# Altium PCB F1_MODULE.PcbDoc (part 2 of 2)
Units mm, origin at the board's own origin, x right, y up, seen from the top; angles counter-clockwise.
Board outline 39.37 x 52.07 mm, 4 copper layers (L1 (Sig), L2 (GND), L3 (PWR), L4 (Sig)), stack 1.57 mm thick; 89 components, 73 nets, 279 pads, 144 vias.
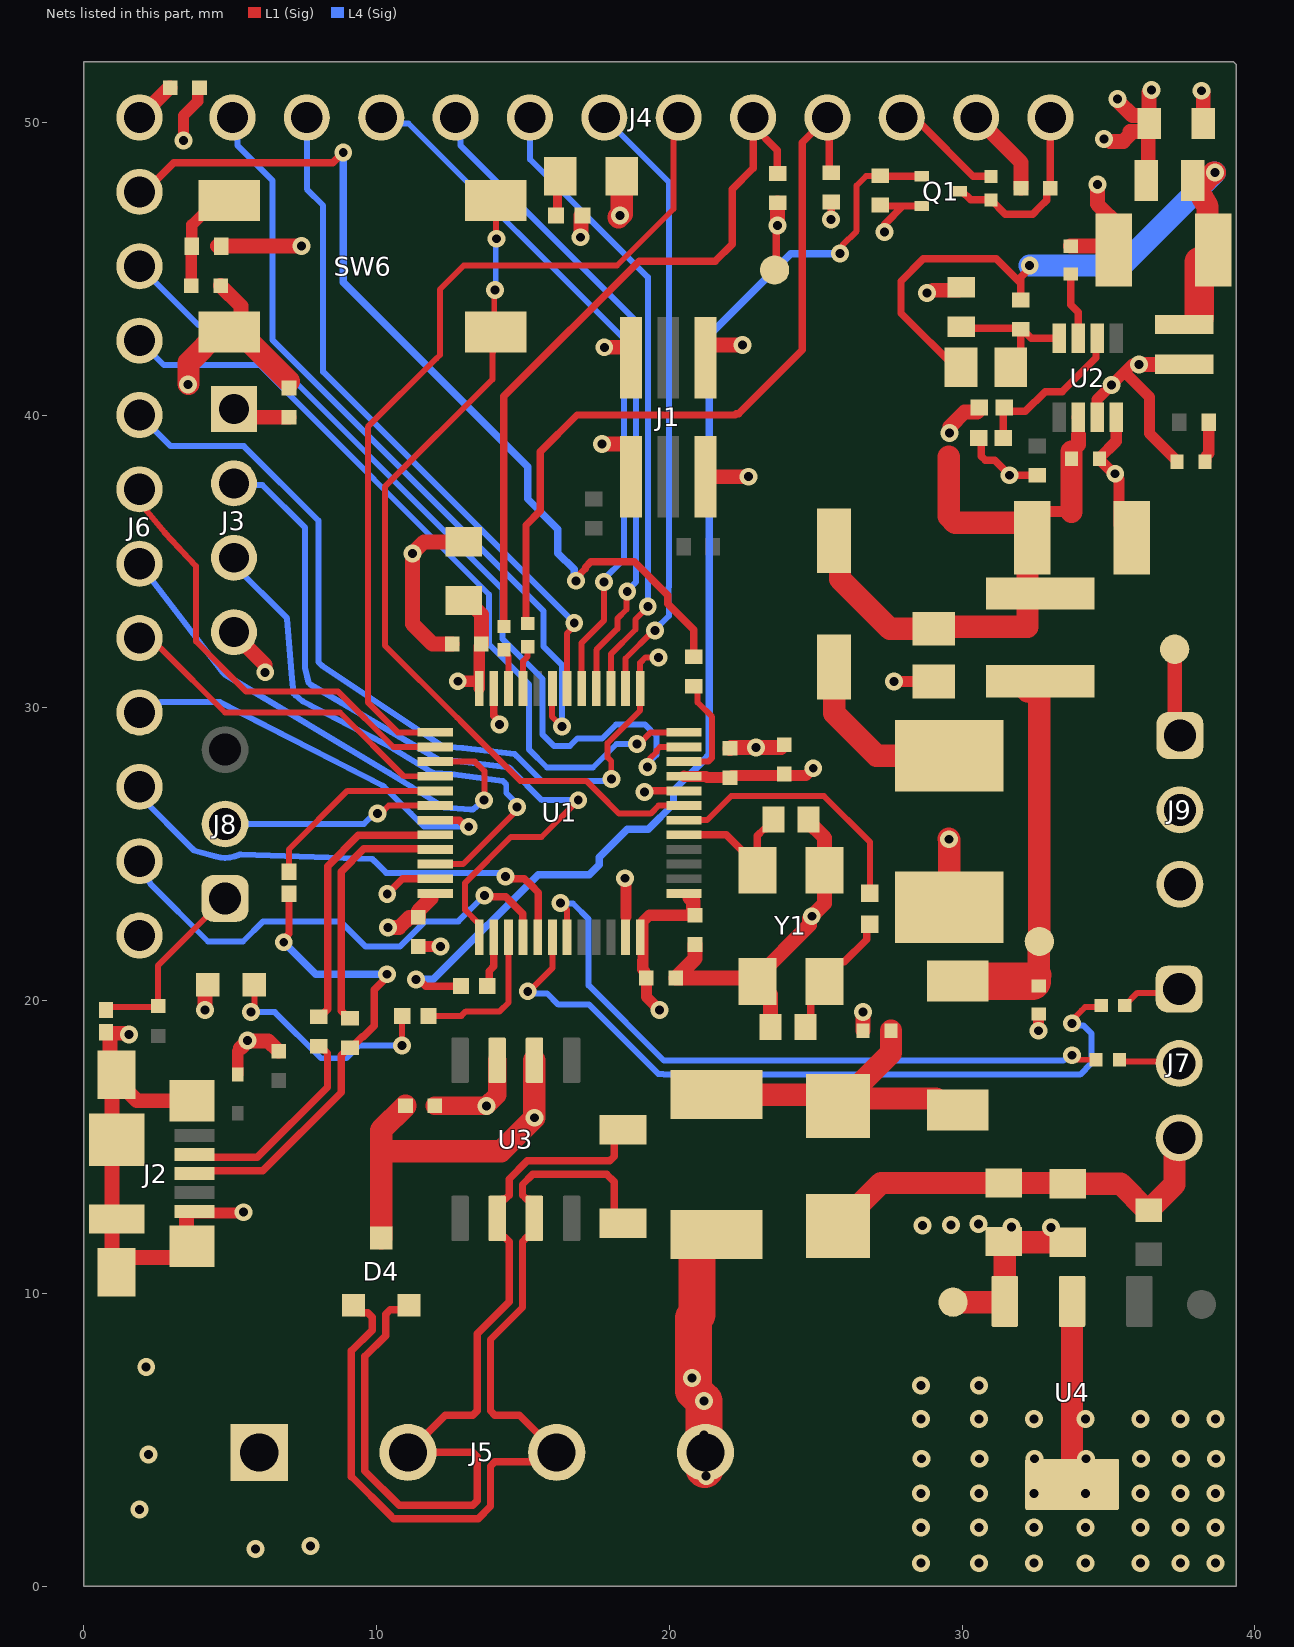
[diagram p4: the nets of this part, all layers, seen from the top]

## Via types
v1: diameter 0.61, hole 0.305, L1 (Sig) to L4 (Sig), 144 vias

## Nets (pads, with @x,y where several pads share a name; then routed paths per layer and width w, separated by ;. In a path a pad name is that pad's centre, name@x,y a point inside that pad or via, vN(x,y) a via of type N, cw(c..) or ccw(c..) an arc to the next point about the centre after c; other vN are vias at no path point) (continued)
CAN_H: D4.1 J5.3 R13.1 U3.7 | length 32.2
  L1 (Sig) w0.254: D4.1@9.21,9.599 9.473,9.336 9.706,9.336 9.855,9.187 9.855,8.749 9.144,8.038 9.144,3.748 10.446,2.445 10.58,2.311 13.477,2.311 13.894,2.728 13.894,4.104 14.043,4.253 J5.3@16.205,4.253 ; J5.3@16.154,4.572 14.884,5.842 14.043,5.842 13.894,5.991 13.894,8.429 14.986,9.521 14.986,11.769 15.135,11.917 15.219,11.917 15.392,12.09 U3.7@15.392,12.565 15.392,13.04 15.219,13.213 15.135,13.213 14.986,13.362 14.986,13.721 15.336,14.072 17.856,14.072 18.114,13.813 18.114,12.696 R13.1@18.415,12.395
CAN_L: D4.2 J5.2 R13.2 U3.6 | length 31.6
  L1 (Sig) w0.254: D4.2@11.11,9.599 10.954,9.444 10.461,9.444 10.312,9.295 10.312,8.56 9.601,7.849 9.601,3.937 10.77,2.769 13.288,2.769 13.437,2.917 13.437,4.423 13.288,4.572 11.444,4.572 J5.2@11.074,4.572 12.344,5.842 13.288,5.842 13.437,5.991 13.437,8.618 14.529,9.711 14.529,11.769 14.38,11.917 14.295,11.917 14.122,12.09 U3.6@14.122,12.565 14.122,13.04 14.295,13.213 14.38,13.213 14.529,13.362 14.529,13.911 15.147,14.529 17.966,14.529 18.115,14.678 18.115,15.295 R13.2@18.415,15.595
CLUTCH_CMD: R10.2 U1.10 | length 3.7
  L1 (Sig) w0.203: U1.10@20.506,28.166 21.333,28.166 21.463,28.296 21.463,29.693 20.968,30.187 20.968,30.602 R10.2@20.828,30.742
CLUTCH_CMD_R: J6.2 R10.1 | length 31.9
  L1 (Sig) w0.254: J6.2@1.905,47.625 2.077,47.625 3.068,48.616 8.509,48.616 v1(8.865,48.971) ; v1(16.815,34.341) 16.815,34.437 17.138,34.76 17.138,34.808 17.318,34.987 18.81,34.987 19.946,33.851 19.946,33.554 20.828,32.672 R10.1@20.828,31.742
  L4 (Sig) w0.254: v1(8.865,48.971) 8.865,44.535 15.164,38.236 15.164,37.135 16.19,36.109 16.19,35.288 16.747,34.731 16.747,34.409 v1(16.815,34.341)
DISP_PWR_EN: Q1.1 R15.1 R17.2 | length 39.9
  L1 (Sig) w0.203: v1(25.832,45.517) 25.91,45.595 25.91,45.798 26.397,46.285 26.397,47.843 26.718,48.163 27.191,48.163 R15.1@27.203,48.176
  L1 (Sig) w0.254: v1(11.354,20.726) 11.45,20.726 11.679,20.498 R17.2@12.818,20.498 ; R15.1@27.313,48.158 Q1.1@28.621,48.158
  L4 (Sig) w0.254: v1(11.354,20.726) 11.938,20.726 12.111,20.899 15.519,24.308 17.26,24.308 17.602,24.65 17.602,24.901 18.563,25.862 19.287,25.862 20.142,26.717 20.142,27.178 21.289,28.325 21.361,28.397 21.361,42.727 24.151,45.517 v1(25.832,45.517)
DRS: J6.8 U1.28 | length 12.1
  L1 (Sig) w0.203: J6.8@1.905,32.385 2.276,32.385 2.655,32.006 2.665,32.006 4.826,29.845 8.754,29.845 10.933,27.666 U1.28@12.006,27.666
DSP_PWR_EN: R17.1 U1.38 | length 1.7
  L1 (Sig) w0.254: R17.1@13.843,20.498 13.843,21.01 14.006,21.173 U1.38@14.006,22.166
GEAR_DN: J6.10 U1.41 | length 16.9
  L1 (Sig) w0.254: v1(14.402,24.236) 14.47,24.168 15.05,24.168 15.281,23.936 15.523,23.695 U1.41@15.523,22.063
  L4 (Sig) w0.203: J6.10@1.905,27.305 1.905,27 3.729,25.177 3.78,25.125 4.519,24.921 ccw(c4.826,26.035) 5.29,24.976 cw(c5.37,24.79) 5.377,24.993 9.859,24.837 9.919,24.777 10.329,24.367 14.276,24.367 14.338,24.305 v1(14.402,24.236)
GEAR_UP: J6.11 U1.40 | length 17
  L1 (Sig) w0.254: v1(13.686,23.597) 13.732,23.55 14.411,23.55 14.989,22.971 U1.40@14.989,22.038
  L4 (Sig) w0.203: J6.11@1.905,24.765 1.905,24.394 2.271,24.028 2.271,23.993 4.242,22.022 5.441,22.022 6.127,22.708 8.763,22.708 9.627,21.844 10.795,21.844 11.659,22.708 12.797,22.708 v1(13.686,23.597)
GND: C1.2 C2.2 C3.2 C4.2 C5.2 C6.2 C7.2 C8.2 C9.2 C10.2 C11.2 C12.2 C13.2 C14.2 C15.2 C16.2 C17.2 C18.2 C19.2 C20.2 C22.2 C23.2 C24.2 C26.2 C32.1 C33.2 D3.2 D4.3 D6.1 J1.5 J1.6 J2.5 J2.6 J2.7 J2.8 J2.9 J2.10 J2.11 J3.4 J4.2 J5.1 J6.12 J7.3 R3.2 R16.2 R26.1 R27.1 R28.1 R38.2 SW6.2 U1.8 U1.23 U1.35 U1.47 U2.4 U3.2 U4.2 U4.4 Y1.2 Y1.4 | length 117.9
  L1 (Sig) w0.254: v1(10.366,23.645) 10.886,24.166 U1.35@12.006,24.166 ; U1.23@14.006,30.666 14.006,29.727 14.199,29.535 v1(14.199,29.439) ; U1.47@18.506,22.166 18.506,22.849 18.517,22.86 ; v1(19.152,27.127) 19.19,27.166 U1.8@20.506,27.166 ; R26.1@30.584,39.116 30.649,39.051 30.649,38.602 30.798,38.453 31.118,38.453 v1(31.623,37.948) R27.1@32.563,37.948
  L1 (Sig) w0.381: v1(3.404,49.378) 3.404,50.231 3.895,50.722 3.895,51.122 C1.2@3.954,51.181 ; J2.5@3.631,12.746 5.431,12.746 v1(5.461,12.776) ; D3.2@5.258,17.475 5.258,18.286 5.357,18.385 ; C19.2@11.43,21.852 v1(12.184,21.852) v1@12.217,21.819 ; v1(18.491,24.181) 18.517,24.155 18.517,22.86 ; J1.6@21.234,41.964 21.234,42.213 J1.6@21.414,42.393 ; v1@22.705,37.894 v1(22.708,37.897) ; v1@27.635,30.861 v1(27.675,30.901) C32.1@29.032,30.901 ; v1(32.614,18.974) 32.616,18.976 32.616,19.546 C3.2@32.614,19.548 ; C23.2@34.689,38.506 34.689,38.481 35.172,37.998 v1(35.23,37.998) 35.23,37.937 35.357,37.809 35.357,36.249 C22.2@35.791,35.814 ; C23.2@34.689,38.531 35.265,39.108 U2.4@35.265,39.922
  L1 (Sig) w0.508: J2.11@0.971,10.671 J2.11@0.971,10.831 ; v1(1.549,18.847) 1.509,18.887 0.802,18.887 0.897,18.793 0.897,18.127 0.971,18.053 J2.8@0.971,17.246 ; 3.512,12.521 3.512,11.592 3.546,11.559 3.214,11.227 1.367,11.227 J2.11@0.971,10.831 ; v1(3.556,41.051) v1@3.575,41.071 ; J2.6@3.698,16.585 1.817,16.585 1.519,16.882 1.519,16.901 1.174,17.246 J2.8@0.971,17.246 ; SW6.2@4.625,42.835 SW6.2@4.975,42.835 SW6.2@5.325,42.835 ; C8.2@4.674,44.425 5.377,43.721 5.377,43.237 SW6.2@5.15,43.01 ; J3.4@5.131,32.588 5.131,32.534 6.198,31.467 v1(6.198,31.217) ; 5.357,18.385 5.588,18.616 v1(5.588,18.644) 5.607,18.624 6.303,18.624 C10.2@6.655,18.272 ; C11.2@7,41.16 7,40.939 C11.2@7.01,40.929 ; C20.2@12.581,32.182 11.913,32.182 11.227,32.868 v1(11.227,35.279) 11.619,35.671 C14.2@12.979,35.671 ; v1(16.967,46.076) 16.987,46.095 16.987,46.809 R3.2@16.99,46.812 ; C15.2@20.879,21.92 20.879,21.438 C17.2@20.218,20.777 22.883,20.777 Y1.2@23.005,20.655 ; J1.5@21.234,37.894 v1@22.705,37.894 ; J1.6@21.414,42.393 v1(22.504,42.393) ; C18.2@22.073,28.618 22.107,28.652 v1(22.962,28.652) 23.817,28.652 C16.2@23.851,28.686 ; C6.2@23.454,19.101 23.454,20.207 Y1.2@23.005,20.655 ; C5.2@24.755,26.187 24.755,26.112 25.305,25.562 Y1.4@25.305,24.455 25.305,23.324 v1(24.867,22.885) 24.789,22.808 24.789,22.589 23.005,20.805 Y1.2@23.005,20.655 ; C2.2@26.619,18.974 v1(26.619,19.609) ; v1@28.981,44.247 29.002,44.267 29.876,44.267 R28.1@29.972,44.363 ; J4.2@30.48,50.165 32.012,48.633 C12.2@32.012,47.752 ; C26.2@33.706,45.771 34.81,45.771 35.369,46.33 35.369,46.457 34.62,47.206 v1(34.62,47.879) ; v1(38.176,51.079) 38.238,51.018 C33.2@38.238,49.962 ; J2.11@0.971,10.831 J2.8@0.971,17.246
  L1 (Sig) w0.762: v1@3.575,41.071 3.575,41.785 SW6.2@4.625,42.835 ; SW6.2@5.325,42.835 C11.2@7,41.16 ; D4.3@10.16,11.889 10.16,14.859 ; C9.2@10.989,16.408 10.16,15.58 10.16,14.859 ; U3.2@15.392,17.965 v1(15.392,16.002) 14.249,14.859 10.16,14.859 ; D6.1@25.756,12.297 27.235,13.776 C7.2@31.42,13.776 33.579,13.776 C13.2@33.604,13.751 35.412,13.751 36.323,12.84 C4.2@36.373,12.84 36.423,12.84 36.442,12.859 36.442,12.909 37.254,13.721 37.254,15.156 J7.3@37.414,15.316 ; v1@29.54,25.527 v1(29.553,25.514) 29.566,25.502 R38.2@29.566,23.191 ; U4.4@33.757,3.479 U4.2@33.757,9.729
  other v1: 28.6,0.787 30.582,0.787 32.461,0.787 34.214,0.787 36.093,0.787 37.465,0.787 38.659,0.787 5.867,1.27 7.747,1.372 28.6,2.007 30.582,2.007 32.461,2.007 34.214,2.007 36.093,2.007 37.465,2.007 38.659,2.007 1.905,2.616 28.6,3.175 30.582,3.175 32.461,3.175 34.214,3.175 36.093,3.175 37.465,3.175 38.659,3.175 28.613,4.354 30.594,4.354 32.474,4.354 34.227,4.354 36.106,4.354 37.478,4.354 38.672,4.354 2.21,4.496 28.6,5.715 30.582,5.715 32.461,5.715 34.214,5.715 36.093,5.715 37.465,5.715 38.659,5.715 28.6,6.858 30.582,6.858 2.134,7.493 28.804,44.171
IGN_SW: J6.7 U1.27 | length 17.8
  L1 (Sig) w0.203: U1.27@12.006,28.166 13.36,28.166 13.682,27.844 13.682,26.865 v1(13.665,26.848)
  L4 (Sig) w0.203: J6.7@1.905,34.925 4.747,31.213 4.816,31.144 4.837,31.131 10.443,27.77 11.176,27.31 12.31,26.597 ; 12.311,26.597 13.215,26.531 13.298,26.531 v1(13.665,26.848)
LCD_BL: J4.3 R37.1 | length 3.9
  L1 (Sig) w0.254: J4.3@27.94,50.165 28.193,49.912 28.628,49.912 30.388,48.152 R37.1@30.988,48.152
LCD_CS: J4.7 U1.14 | length 21.1
  L1 (Sig) w0.203: U1.14@18.506,30.666 18.506,31.689 19.456,32.639 v1(19.507,32.639)
  L4 (Sig) w0.203: J4.7@17.78,50.165 19.99,47.955 19.99,34.131 19.971,34.112 19.971,33.565 19.99,33.546 19.99,33.147 19.507,32.664 v1(19.507,32.639)
LCD_D/C: J4.11 U1.18 | length 23.4
  L1 (Sig) w0.203: U1.18@16.506,30.666 16.506,32.546 16.754,32.793 v1(16.754,32.903)
  L4 (Sig) w0.203: J4.11@7.62,50.165 7.62,47.721 8.179,47.162 8.179,41.478 v1(16.754,32.903)
LCD_MISO: J4.9 U1.16 | length 22.6
  L1 (Sig) w0.203: U1.16@17.506,30.666 17.506,31.982 18.223,32.699 18.223,33.048 18.539,33.363 18.539,33.947 v1(18.565,33.973)
  L4 (Sig) w0.203: J4.9@12.7,50.165 12.875,49.99 12.875,49.202 18.859,43.219 18.859,34.295 18.565,34.001 v1(18.565,33.973)
LCD_MOSI: J4.10 U1.17 | length 24
  L1 (Sig) w0.203: U1.17@17.006,30.666 17.006,32.212 ; 17.007,32.213 17.007,32.223 17.766,32.982 v1(17.766,34.302)
  L4 (Sig) w0.203: J4.10@10.16,50.165 10.364,49.961 11.094,49.961 18.453,42.603 18.453,35.08 17.766,34.394 v1(17.766,34.302)
LCD_RST: J4.12 U1.19 | length 27.9
  L1 (Sig) w0.203: U1.19@15.963,31.09 16,31.052 16,31.04 16.006,31.035 U1.19@16.006,30.666 ; U1.19@15.994,31.058 15.994,29.7 v1(16.332,29.362)
  L4 (Sig) w0.203: J4.12@5.08,50.165 4.902,49.987 5.255,49.634 5.255,49.202 6.452,48.006 6.452,42.559 15.697,33.313 15.697,32.106 16.332,31.471 v1(16.332,29.362)
LCD_SCK: J4.8 U1.15 | length 21.7
  L1 (Sig) w0.203: U1.15@18.006,30.666 18.006,31.835 18.847,32.676 18.847,33.025 19.265,33.443 v1(19.265,33.468)
  L4 (Sig) w0.203: J4.8@15.24,50.165 15.24,48.737 19.265,44.711 v1(19.265,33.468)
NetC8_1: C8.1 R11.1 SW6.4 | length 3.6
  L1 (Sig) w0.381: C8.1@3.674,44.425 R11.1@3.674,45.753 ; R11.1@3.691,45.771 3.691,46.501 4.525,47.335 SW6.4@4.875,47.335
NetC21_1: C21.1 R23.2 | length 1.4
  L1 (Sig) w0.381: C21.1@38.296,38.405 38.33,38.439 38.33,38.595 38.422,38.687 R23.2@38.422,39.751
NetC31_2: C31.2 R38.1 | length 6.1
  L1 (Sig) w0.762: C31.2@25.629,31.394 25.629,29.82 27.077,28.371 R38.1@29.566,28.371
NetD1_1: D1.1 R2.1 | length 8
  L1 (Sig) w0.203: v1(5.715,19.609) 5.829,19.723 D1.1@5.829,20.549 ; v1(10.871,18.466) 10.871,19.475 R2.1@10.878,19.482
  L4 (Sig) w0.203: v1(5.715,19.609) 6.528,19.609 8.103,18.034 8.966,18.034 9.398,18.466 v1(10.871,18.466)
NetD2_1: D2.1 R3.1 | length 1.4
  L1 (Sig) w0.305: R3.1@16.183,46.816 16.183,48.068 D2.1@16.273,48.158
OLED_SCK: R21.2 U1.21 | length 1.3
  L1 (Sig) w0.203: U1.21@15.006,30.666 15.006,31.596 15.1,31.69 15.1,31.702 15.164,31.765 R21.2@15.164,31.883
OLED_SCK_R: J4.4 R18.1 R21.1 | length 26.8
  L1 (Sig) w0.254: R21.1@15.105,32.813 15.105,36.241 15.596,36.731 15.596,38.753 16.847,40.005 22.245,40.005 22.283,40.043 22.365,40.043 24.547,42.226 24.547,44.931 24.547,49.312 J4.4@25.4,50.165 25.463,50.102 25.463,48.341 R18.1@25.527,48.277
OLED_SDA: R22.2 U1.22 | length 1.2
  L1 (Sig) w0.203: R22.2@14.453,31.833 14.506,31.779 U1.22@14.506,30.666
OLED_SDA_R: J4.5 R20.1 R22.1 | length 24.3
  L1 (Sig) w0.254: R22.1@14.351,32.785 14.351,40.639 18.975,45.263 21.565,45.263 22.144,45.842 22.144,47.722 22.86,48.438 J4.5@22.86,49.808 ; J4.5@22.86,50.165 22.86,49.874 23.682,49.053 R20.1@23.682,48.252
OSC_IN: C5.1 U1.5 Y1.1 | length 5.1
  L1 (Sig) w0.254: U1.5@20.506,25.666 21.945,25.666 23.005,24.605 Y1.1@23.005,24.455 23.005,25.636 23.234,25.864 23.307,25.864 23.555,26.112 C5.1@23.555,26.187
OSC_OUT: R9.2 U1.6 | length 9.2
  L1 (Sig) w0.203: U1.6@20.506,26.166 21.289,26.166 22.116,26.993 25.278,26.993 26.848,25.423 R9.2@26.848,23.592
OSC_OUT_R: C6.1 R9.1 Y1.3 | length 4.5
  L1 (Sig) w0.254: C6.1@24.654,19.101 24.835,19.282 24.835,20.334 25.828,21.328 25.978,21.328 26.741,22.091 26.741,22.507 R9.1@26.848,22.614
P3V3_1: C24.1 C25.2 L1.1 L3.1 R25.2 | length 22.9
  L1 (Sig) w0.254: C25.2@29.883,41.402 29.883,41.516 27.915,43.485 27.915,44.577 28.677,45.339 31.169,45.339 32.004,44.504 ; R25.2@32.004,43.934 32.004,44.504 ; v1(32.309,45.11) 32.309,45.014 32.004,44.709 32.004,44.504
  L1 (Sig) w0.762: L3.1@37.963,47.862 38.384,47.118 38.384,45.517 C24.1@38.1,45.233 ; 38.32,48.006 38.6,48.285 v1(38.633,48.285)
  L1 (Sig) w1.016: L1.1@38.1,43.34 C24.1@38.1,45.233
  L4 (Sig) w0.762: v1(32.309,45.11) 35.458,45.11 v1(38.633,48.285)
P3V3_LDO: C7.1 C13.1 J9.3 TP1.1 U4.3 | length 6
  L1 (Sig) w0.762: TP1.1@29.693,9.703 31.43,9.703 U4.3@31.457,9.729 31.457,11.739 C7.1@31.42,11.776 31.445,11.751 C13.1@33.604,11.751
  other v1: 33.038,12.251 31.688,12.276 28.651,12.319 29.616,12.344 30.556,12.37
P3V3_VR: C33.1 J9.1 L3.2 TP4.1 | length 8.8
  L1 (Sig) w0.203: J9.1@37.262,29.235 J9.1@37.44,29.058
  L1 (Sig) w0.508: v1@35.052,49.352 35.51,49.352 35.849,49.691 ; v1(35.306,50.8) 35.325,50.781 35.325,50.725 35.818,50.233 36.242,50.233 36.388,50.087 C33.1@36.388,49.962 36.388,49.837 36.242,49.691 35.849,49.691 ; 35.738,49.691 35.849,49.691 ; L3.2@36.359,48.006 C33.1@36.359,49.564 ; C33.1@36.388,50.233 36.388,51.018 v1(36.474,51.105) ; J9.1@37.262,29.235 TP4.1@37.262,32.004
  other v1: 34.849,49.428
P12V: F1.1 J5.4 | length 8.8
  L1 (Sig) w1.27: J5.4@21.209,3.988 21.184,4.013 v1(21.184,6.325) 20.828,6.68 20.828,9.164 20.942,9.278 20.942,11.807 21.147,12.012 F1.1@21.615,12.012
  other v1: 21.26,3.759 21.184,5.169 20.777,7.112
P12V_F: C2.1 D5.1 D6.2 F1.2 | length 12
  L1 (Sig) w0.762: F1.2@21.615,16.792 25.369,16.792 D6.2@25.756,16.405 ; C2.1@27.569,18.974 27.569,18.219 D6.2@25.756,16.405 ; D5.1@29.845,16.266 29.495,16.266 29.098,16.662 26.013,16.662 D6.2@25.756,16.405
P12V_PROTECTED: C3.1 D5.2 L2.1 TP5.1 | length 12.8
  L1 (Sig) w0.762: L2.1@32.233,30.574 32.37,30.574 32.639,30.305 TP5.1@32.639,22.022 32.614,21.996 32.614,20.879
  L1 (Sig) w0.889: C3.1@32.401,20.666 32.614,20.879
  L1 (Sig) w1.27: D5.2@29.845,20.666 C3.1@32.401,20.666
PGM_LED: R2.2 U1.39 | length 5.1
  L1 (Sig) w0.203: R2.2@11.778,19.482 12.899,19.482 13.051,19.634 14.206,19.634 14.506,19.935 14.506,20.899 U1.39@14.506,22.166
PGM_LED_0: J6.9 U1.31 | length 13.9
  L1 (Sig) w0.254: U1.31@12.006,26.166 12.83,26.166 13.054,25.942 v1(13.15,25.942)
  L4 (Sig) w0.203: J6.9@1.905,29.845 2.276,29.845 2.628,30.197 4.607,30.197 4.656,30.197 10.203,27.35 10.254,27.313 11.176,26.391 11.625,25.942 v1(13.15,25.942)
PGM_LED_1: J4.6 U1.25 | length 30.5
  L1 (Sig) w0.203: U1.25@12.006,29.166 10.726,29.166 9.703,30.189 9.703,39.599 12.04,41.935 12.048,41.935 12.167,42.054 12.167,44.298 12.979,45.11 18.212,45.11 20.142,47.041 20.142,49.987 J4.6@20.32,50.165 J4.6@20.32,49.802
ROT_SW_0: J6.3 U1.11 | length 29.9
  L1 (Sig) w0.203: v1(19.26,27.984) 19.338,28.062 19.338,28.272 19.561,28.496 19.561,28.547 19.68,28.666 U1.11@20.506,28.666
  L4 (Sig) w0.203: J6.3@1.905,45.085 3.914,43.076 5.288,43.076 14.3,34.064 14.3,32.36 15.672,30.988 15.672,29.089 16.059,28.702 16.606,28.702 16.86,28.956 17.704,28.956 18.178,29.43 19.174,29.43 19.561,29.043 19.561,28.395 19.26,28.094 v1(19.26,27.984)
ROT_SW_1: J6.4 U1.12 | length 27.4
  L1 (Sig) w0.203: v1(18.901,28.769) 18.97,28.769 19.366,29.166 U1.12@20.506,29.166
  L4 (Sig) w0.203: J6.4@1.905,42.545 2.738,41.712 6.006,41.712 13.843,33.874 13.843,32.17 15.215,30.799 15.215,28.575 15.824,27.965 17.393,27.965 18.197,28.769 v1(18.901,28.769)
ROT_SW_2: J6.5 U1.13 | length 28.9
  L1 (Sig) w0.203: v1(18.029,27.577) 18.016,27.59 18.016,28.187 17.891,28.312 17.891,28.798 19.006,29.913 U1.13@19.006,30.666 19.006,31.542 19.189,31.725 v1(19.634,31.725)
  L4 (Sig) w0.203: J6.5@1.905,40.005 2.968,38.942 5.47,38.942 8.017,36.395 8.017,31.564 8.137,31.445 12.22,28.716 12.28,28.683 12.945,28.624 14.72,28.423 14.78,28.363 15.635,27.508 17.96,27.508 v1(18.029,27.577)
ROT_SW_3: J6.6 U1.26 | length 15.6
  L1 (Sig) w0.203: J6.6@1.905,37.465 2.001,36.915 2.766,35.991 2.77,35.986 3.831,34.849 ; 3.834,34.846 3.834,32.272 5.55,30.556 8.689,30.556 10.579,28.666 U1.26@12.006,28.666
RST: SW6.1 SW6.3 U1.7 | length 29.6
  L1 (Sig) w0.203: v1(14.046,44.272) 14.021,44.247 14.021,42.889 SW6.1@14.075,42.835 13.976,42.736 13.976,42.135 13.962,42.122 13.962,41.224 10.287,37.549 10.287,32.131 12.746,29.672 12.753,29.672 12.962,29.463 12.962,29.456 14.91,27.508 17.165,27.508 17.551,27.121 18.282,26.391 19.363,26.391 19.638,26.666 U1.7@20.506,26.666 ; SW6.3@14.075,47.335 14.075,46.047 v1(14.097,46.025)
  L4 (Sig) w0.203: v1(14.046,44.272) 14.072,44.298 14.072,45.999 v1(14.097,46.025)
SWCLK: J3.2 U1.37 | length 25.9
  L1 (Sig) w0.203: U1.37@13.506,22.166 13.506,22.616 13.026,23.096 13.026,23.287 13.026,24.026 14.591,25.591 15.634,25.591 v1(16.891,26.848)
  L4 (Sig) w0.203: J3.2@5.131,37.668 5.187,37.612 6.102,37.612 7.56,36.153 7.56,31.374 7.677,30.866 7.755,30.788 12.126,28.23 12.165,28.226 12.741,28.181 14.531,27.965 14.591,27.906 15.649,26.848 v1(16.891,26.848)
SWDIO: J3.3 U1.34 | length 18
  L1 (Sig) w0.203: U1.34@12.006,24.666 12.952,24.666 14.795,26.509 v1(14.795,26.619)
  L4 (Sig) w0.203: J3.3@5.131,35.128 5.131,34.874 6.949,33.056 7.103,31.185 7.17,30.496 7.236,30.43 7.475,30.23 7.495,30.22 10.278,28.778 10.419,28.695 11.906,27.789 11.965,27.777 12.538,27.737 12.662,27.723 14.311,27.508 14.371,27.449 14.43,27.389 14.43,27.094 14.795,26.729 v1(14.795,26.619)
USART_RX: R6.2 U1.43 | length 23
  L1 (Sig) w0.203: v1(16.281,23.343) 16.506,23.118 U1.43@16.506,22.166 ; v1@33.934,18.009 33.96,17.983 R6.2@34.576,17.983
  L4 (Sig) w0.203: v1(16.281,23.343) 16.306,23.318 16.712,23.318 17.247,22.784 17.247,20.899 17.247,20.523 19.812,17.958 33.469,17.958 33.647,18.136 v1(33.757,18.136)
USART_RX_R: J7.2 R6.1 | length 2.1
  L1 (Sig) w0.203: R6.1@35.376,17.983 35.439,17.92 37.351,17.92 J7.2@37.414,17.856
USART_TX: R5.2 U1.42 | length 26
  L1 (Sig) w0.203: v1(15.166,20.32) 15.215,20.32 15.794,20.899 16.006,21.111 U1.42@16.006,22.166 ; v1(33.757,19.228) 33.757,19.338 34.085,19.666 34.085,19.668 34.204,19.787 34.703,19.787 R5.2@34.754,19.837
  L4 (Sig) w0.203: v1(15.166,20.32) 15.235,20.252 15.824,20.252 15.824,20.25 16.211,19.863 17.26,19.863 19.623,17.501 19.787,17.501 19.812,17.475 34.03,17.475 34.417,17.862 34.417,18.882 34.149,19.15 33.834,19.15 v1(33.757,19.228)
USART_TX_R: J7.1 R5.1 | length 2.1
  L1 (Sig) w0.203: R5.1@35.554,19.837 35.985,20.269 37.287,20.269 J7.1@37.414,20.396
USB_N: R7.2 U1.32 | length 9.4
  L1 (Sig) w0.254: R7.2@8.026,19.448 8.076,19.448 8.331,19.703 8.331,24.599 9.377,25.645 11.985,25.645 U1.32@12.006,25.666
USB_P: R8.2 U1.33 | length 8.7
  L1 (Sig) w0.254: R8.2@9.093,19.398 9.043,19.398 8.788,19.652 8.788,24.409 9.566,25.187 11.985,25.187 U1.33@12.006,25.166
USB_P_PU: R12.2 U1.29 | length 6.6
  L1 (Sig) w0.203: R12.2@7.01,24.403 7.01,25.171 9.005,27.166 11.176,27.166 U1.29@12.006,27.166
USB_R_N: J2.2 R7.1 | length 7.1
  L1 (Sig) w0.254: J2.2@3.783,14.747 3.88,14.651 4.928,14.651 5.927,14.651 8.326,17.05 8.326,18.198 8.076,18.448 R7.1@8.026,18.448
USB_R_P: J2.3 R8.1 R12.1 | length 16.6
  L1 (Sig) w0.254: J2.3@3.783,14.097 3.88,14.193 4.928,14.193 6.116,14.193 8.788,16.866 8.788,18.143 9.043,18.398 R8.1@9.093,18.398 9.143,18.398 9.512,18.767 9.551,18.767 9.923,19.139 9.923,20.374 10.363,20.815 v1(10.363,20.904) ; v1(6.833,21.996) 6.833,22.106 7.01,22.284 R12.1@7.01,23.653
  L4 (Sig) w0.254: v1(6.833,21.996) 7.925,20.904 v1(10.363,20.904)
USB_VBUS: J8.1 R14.2 R16.1 | length 6.5
  L1 (Sig) w0.203: R16.1@0.762,19.68 0.862,19.78 2.504,19.78 R14.2@2.54,19.816 2.54,21.209 J8.1@4.826,23.495
USB_VBUS_R: J8.2 U1.30 | length 7.4
  L1 (Sig) w0.203: v1(10.033,26.391) 10.143,26.391 10.418,26.666 U1.30@12.006,26.666
  L4 (Sig) w0.203: J8.2@4.826,26.035 9.567,26.035 9.923,26.391 v1(10.033,26.391)
VDD: C1.1 C9.1 C11.1 C14.1 C15.1 C16.1 C17.1 C18.1 C19.1 C20.1 D1.2 D2.2 J1.1 J1.2 J3.1 J6.1 J9.2 Q1.2 R11.2 R15.2 U1.1 U1.9 U1.24 U1.36 U1.48 U3.3 | length 34.4
  L1 (Sig) w0.254: J3.1@5.131,40.208 J3.1@5.41,39.929 ; C20.1@13.506,32.107 C20.1@13.581,32.182 ; J1.2@18.451,42.316 18.694,42.073 J1.2@18.694,41.964 ; R15.2@27.203,47.297 27.203,47.276 27.337,47.142 27.979,47.142 ; v1(27.356,46.253) 27.356,46.519 27.979,47.142 ; Q1.2@28.621,47.142 27.979,47.142
  L1 (Sig) w0.381: v1(12.776,30.912) 13.26,30.912 13.271,30.9 13.466,30.9 U1.24@13.506,30.86 ; U1.24@13.506,30.666 U1.24@13.506,30.86 ; C20.1@13.506,32.107 U1.24@13.506,30.86 ; v1(19.66,19.685) 19.218,20.126 C17.1@19.218,20.777 19.159,20.837 19.159,20.995 19.094,21.06 19.094,21.376 19.101,21.382 19.101,22.697 19.324,22.92 C15.1@20.879,22.92 C15.1@20.819,22.98 ; U1.9@20.506,27.666 20.513,27.659 21.248,27.659 21.289,27.618 C18.1@22.073,27.618 ; C18.1@22.121,27.666 22.141,27.686 24.663,27.686 v1(24.917,27.94)
  L1 (Sig) w0.508: J6.1@1.905,50.165 2.921,51.181 C1.1@2.954,51.181 ; v1(4.14,19.685) 4.14,20.46 D1.2@4.229,20.549 ; R11.2@4.57,45.771 v1(7.442,45.771) ; J3.1@5.41,39.929 C11.1@7.01,39.929 ; v1(10.389,22.504) 10.776,22.504 11.124,22.852 C19.1@11.43,22.852 11.43,23.063 11.862,23.495 ; C14.1@12.979,33.671 13.104,33.671 13.581,33.194 C20.1@13.581,32.182 ; v1(17.704,39.014) 18.578,39.014 18.694,38.898 J1.1@18.694,37.894 ; v1(17.78,42.316) J1.2@18.451,42.316 ; U1.1@20.699,23.516 20.819,23.395 C15.1@20.819,22.98
  L1 (Sig) w0.635: C9.1@11.989,16.408 v1(13.75,16.408) 14.122,16.78 U3.3@14.122,17.965
  L1 (Sig) w0.762: v1@18.263,46.761 v1(18.318,46.817) 18.373,46.872 D2.2@18.373,48.158
VDD_DISPLAY: C12.1 J4.1 Q1.3 R18.2 R20.2 R37.2 TP3.1 | length 9.3
  L1 (Sig) w0.254: TP3.1@23.597,44.958 23.647,45.009 23.647,46.431 v1(23.698,46.482) ; v1(25.527,46.685) R18.2@25.527,47.277 ; Q1.3@29.921,47.65 29.995,47.65 30.293,47.352 R37.2@30.988,47.352 31.477,46.863 32.41,46.863 32.643,47.096 32.89,47.343 32.89,47.63 33.016,47.756 33.016,50.161 J4.1@33.02,50.165
  L1 (Sig) w0.508: v1(23.698,46.482) R20.2@23.698,47.252
VR_EN: R24.1 R26.2 U2.6 | length 5.6
  L1 (Sig) w0.254: R26.2@31.413,39.116 31.413,40.132 32.162,40.132 32.835,40.805 33.414,40.805 34.575,41.966 34.575,42.587 U2.6@34.615,42.628
VR_FB: C25.1 R25.1 R28.2 U2.8 | length 5.2
  L1 (Sig) w0.254: R28.2@29.972,43.013 30.011,42.974 31.965,42.974 R25.1@32.004,42.934 32.004,41.821 C25.1@31.585,41.402 ; R25.1@32.054,42.934 32.36,42.628 U2.8@33.315,42.628
VR_IN: C22.1 C23.1 C31.1 C32.2 L2.2 R24.2 U2.2 | length 23.5
  L1 (Sig) w0.381: C32.2@28.882,32.701 C32.2@29.032,32.701 C32.2@29.105,32.774 ; 29.413,38.71 29.54,38.583 ; C22.1@31.957,36.322 32.391,35.887 C22.1@32.391,35.814 ; C22.1@32.455,35.433 32.455,36.332 32.826,36.703 33.739,36.703
  L1 (Sig) w0.457: U2.2@33.965,39.922 33.975,39.912 33.975,39.319
  L1 (Sig) w0.508: v1(29.566,39.395) 29.585,39.415 29.585,39.608 30.088,40.111 30.518,40.111 R24.2@30.551,40.144 ; C23.1@33.739,38.75 33.975,38.986 33.975,39.319
  L1 (Sig) w0.762: C31.1@25.629,35.712 25.832,35.509 25.832,34.404 27.535,32.701 C32.2@28.882,32.701 ; C32.2@29.105,32.774 32.233,32.774 C22.1@32.233,35.222 ; 29.54,38.583 29.54,36.545 29.763,36.322 C22.1@31.957,36.322 ; 33.739,36.703 C23.1@33.739,38.506 C23.1@33.739,38.75
VR_SW: C21.2 L1.2 U2.3 | length 7.2
  L1 (Sig) w0.203: L1.2@37.581,41.732 L1.2@37.592,41.743
  L1 (Sig) w0.381: 34.604,40.424 34.604,40.531 v1(35.099,41.026) 35.543,41.47 ; U2.3@34.615,39.922 U2.3@34.655,39.963 ; v1@35.816,41.743 35.543,41.47 ; C21.2@37.346,38.405 37.346,38.43 36.395,39.38 36.395,40.617 35.543,41.47
  L1 (Sig) w0.508: v1(36.043,41.732) L1.2@37.581,41.732
VR_VCC: C26.1 U2.7 | length 2.3
  L1 (Sig) w0.254: C26.1@33.706,44.821 33.706,43.769 33.965,43.509 U2.7@33.965,42.628
pads on no net: J2.4 J8.3 U1.2 U1.3 U1.4 U3.5 U3.8
copper on no net:
  other v1: 3.581,1.829

## Polygon pours and split planes (outlines as drawn)
5V_USB on L3 (PWR) "5V_USB_L03_P059" (solid, pour order 59): 0.105,18.342 0.091,18.328 0.091,7.58 0.66,7.01 23.704,7.01 23.709,7.005 23.75,7.047 39.097,7.047 39.19,7.14 39.177,7.154 39.177,10.794 39.156,10.794 38.999,10.952 38.994,10.947 27.788,10.947 27.288,11.447 27.288,14.45 26.947,14.791 19.692,14.791 18.949,15.534 11.011,15.534 9.402,17.142 5.49,17.142 4.272,18.36 0.034,18.36
VDD on L3 (PWR) "VDD_L03_P053" (solid, pour order 53): 39.116,27.889 39.116,25.425 39.065,25.375 37.897,25.375 37.617,25.095 36.17,25.095 35.865,24.79 33.833,24.79 33.249,24.206 28.651,24.206 27.254,22.809 27.254,15.9 26.594,15.24 19.863,15.24 19.431,15.672 19.355,15.596 17.678,15.596 17.602,15.672 17.145,15.672 16.916,15.9 16.104,15.9 15.824,16.18 14.273,15.857 12.878,16.18 11.659,17.399 8.56,17.399 7.595,18.364 4.267,18.364 3.15,19.482 0.432,19.482 0.432,32.436 0.61,32.614 0.432,32.791 0.432,51.435 0.533,51.537 17.907,51.537 17.932,51.511 17.983,51.562 19.355,51.562 19.355,49.149 20.396,48.108 20.396,46.126 20.422,46.126 21.514,45.034 21.717,45.237 24.384,45.237 25.095,45.949 26.441,45.949 27.305,46.812 27.467,46.812 27.467,46.803 27.864,46.406 33.223,46.406 33.274,46.457 33.858,45.872 33.858,37.694 33.757,37.592 33.858,37.49 33.858,30.632 33.96,30.531 33.96,27.82 33.967,27.813 33.993,27.838 38.964,27.838 39.014,27.889
P3V3_LDO on L3 (PWR) "P3V3_LDO_L03_P051" (solid, pour order 51): 27.813,11.252 34.163,11.252 34.315,11.1 39.116,11.1 39.116,16.815 38.989,16.942 39.065,17.018 39.065,24.943 38.71,25.298 38.684,25.273 30.378,23.546 27.762,22.454 27.61,12.852 27.762,12.7
P3V3_VR on L3 (PWR) "P3V3_VR_L03_P052" (solid, pour order 52): 34.442,51.918 34.458,51.902 34.458,28.185 34.442,28.169 34.519,28.092 39.116,28.092 39.116,51.892 39.091,51.918
VDD_DISPLAY on L3 (PWR) "VDD_DISPLAY_L03_P006" (solid, pour order 6): 21.209,51.537 21.209,49.632 21.184,49.606 21.209,49.581 21.209,47.346 21.031,47.168 21.057,47.142 21.057,46.126 21.311,45.872 21.311,45.796 21.844,45.796 21.895,45.745 21.946,45.796 23.749,45.796 24.155,46.203 26.289,46.203 26.822,46.736 29.362,46.736 30.632,48.006 32.791,48.006 33.528,48.743 34.087,48.743 34.087,51.511 33.985,51.41 32.055,51.41 32.029,51.435 32.004,51.41 26.137,51.41 26.06,51.486 21.158,51.486
P3V3_1 on L1 (Sig) "P3V3_1_L01_P062" (solid, pour order 62): 36.588,42.782 36.605,42.765 39.332,42.765 39.342,42.776 39.342,47.682 39.309,47.715 39.346,47.752 39.346,49.06 37.3,49.06 37.222,48.982 37.222,47.237 36.952,46.967 36.669,46.967 36.669,45.106 36.601,45.038 36.601,42.781 36.595,42.775
GND on L1 (Sig) "GND_L01_P071" (solid, pour order 71): 9.246,17.399 9.179,17.332 9.179,16.493 6.209,13.523 6.068,13.523 6.068,10.721 6.071,10.719 6.084,10.732 12.226,10.732 12.226,14.952 12.116,15.062 12.167,15.113 12.167,15.799 11.582,15.799 11.502,15.879 11.502,17.395 11.503,17.396 9.269,17.396
GND on L1 (Sig) "GND_L01_P070" (solid, pour order 70): 0.248,9.392 0.29,9.434 8.346,9.434 8.346,0.596 8.071,0.321 0.396,0.321 0.205,0.511 0.205,9.434
P12V on L1 (Sig) "P12V_L01_P058" (solid, pour order 58): 19.533,14.122 19.533,0.422 19.599,0.356 23.952,0.356 23.952,6.776 23.974,6.798 23.961,6.811 23.961,14.144 19.543,14.144 19.518,14.119
GND on L1 (Sig) "GND_L01_P057" (solid, pour order 57): 24.206,0.356 24.187,0.336 27.987,0.336 27.987,7.395 27.917,7.465 27.683,7.465 27.683,14.12 27.737,14.173 24.206,14.173
VDD on L1 (Sig) "VDD_L01_P040" (solid, pour order 40): 17.628,49.2 17.628,46.66 17.602,46.634 17.628,46.609 17.628,46.203 18.974,46.203 19.609,46.838 19.609,49.2 19.583,49.174 17.653,49.174
GND on L1 (Sig) "GND_L01_P069" (solid, pour order 69): 1.981,17.577 4.267,17.577 4.291,17.553 4.291,15.867 1.981,15.867 1.972,15.877 1.981,15.886 1.981,17.575
GND on L1 (Sig) "GND_L01_P068" (solid, pour order 68): 0.127,19.177 0.144,19.194 2.093,19.194 2.093,17.045 2.212,16.925 2.212,13.032 0.128,13.032 0.127,13.03 0.102,13.056 0.102,19.228
5V_USB on L1 (Sig) "5V_USB_L01_P067" (solid, pour order 67): 4.608,15.037 5.898,15.037 7.329,16.467 7.34,16.467 7.995,17.122 7.989,17.127 7.989,17.934 7.989,17.935 6.262,17.935 6.26,17.937 6.251,17.929 5.627,17.929 5.572,17.873 5.572,17.233 5.479,17.141 4.636,17.141 4.616,17.121 4.616,15.063 4.62,15.058
P12V_PROTECTED on L1 (Sig) "P12V_PROTECTED_L01_P065" (solid, pour order 65): 31.72,31.769 31.71,31.76 31.71,20.991 31.699,20.98 31.699,20.142 35.473,20.142 35.611,20.28 35.611,31.75 35.585,31.775 31.699,31.775
GND on L1 (Sig) "GND_L01_P064" (solid, pour order 64): 36.555,46.958 36.555,46.959 36.555,46.962 36.527,46.99 34.256,46.99 34.256,44.382 34.293,44.346 36.553,44.346 36.553,46.851 36.543,46.937 36.553,46.957 36.586,46.96
GND on L1 (Sig) "GND_L01_P063" (solid, pour order 63): 37.305,51.928 37.315,51.918 37.315,49.217 39.26,49.217 39.284,49.194 39.284,51.928 37.343,51.928
VR_SW on L1 (Sig) "VR_SW_L01_P061" (solid, pour order 61): 35.606,42.66 35.606,40.885 39.242,40.885 39.269,40.911 39.269,42.676 35.632,42.676 35.627,42.682
VR_IN on L1 (Sig) "VR_IN_L01_P060" (solid, pour order 60): 34.659,37.061 31.791,37.061 31.776,37.046 31.753,37.069 24.784,37.069 24.769,37.084 23.774,37.084 23.774,33.612 24.265,33.121 25.464,33.121 25.857,32.728 26.37,32.728 27.206,31.892 30.087,31.892 30.107,31.872 30.127,31.892 34.569,31.892 34.629,31.953 34.629,37.079
P12V_F on L1 (Sig) "P12V_F_L01_P056" (solid, pour order 56): 19.66,18.085 19.698,18.123 28.262,18.123 28.274,18.135 28.296,18.112 32.408,18.112 32.408,14.818 32.464,14.762 32.307,14.606 19.793,14.606 19.647,14.751 19.647,18.078
P3V3_LDO on L1 (Sig) "P3V3_LDO_L01_P050" (solid, pour order 50): 27.965,12.649 27.991,12.624 27.991,7.747 33.147,7.747 33.172,7.772 33.096,7.849 33.096,10.643 33.122,10.643 33.35,10.871 33.375,10.847 34.233,10.847 34.233,12.808 34.138,12.903 28.397,12.903 28.194,12.7 27.991,12.7
5V_USB on L1 (Sig) "5V_USB_L01_P049" (solid, pour order 49): 34.468,12.065 34.468,6.553 34.595,6.426 39.268,6.426 39.268,12.065
GND on L1 (Sig) "GND_L01_P048" (solid, pour order 48): 28.245,7.493 28.27,7.518 34.061,7.518 34.061,6.426 34.239,6.248 34.265,6.274 38.964,6.274 39.141,6.096 39.141,0.356 28.219,0.356 28.194,0.381 28.245,0.432 28.245,7.518
VDD on L1 (Sig) "VDD_L01_P036" (solid, pour order 36): 11.024,23.774 11.049,23.774 11.187,23.912 12.791,23.912 12.827,23.876 12.827,22.377 11.252,22.377 10.973,22.098 10.109,22.098 10.109,22.784 10.592,23.266 10.592,23.343
VDD on L1 (Sig) "VDD_L01_P023" (solid, pour order 23): 3.607,20.955 3.773,21.121 3.773,21.13 5.153,21.13 5.156,21.133 5.207,21.082 5.207,19.355 3.607,19.355 3.556,19.406 3.607,19.456 3.607,20.879
VDD on L1 (Sig) "VDD_L01_P037" (solid, pour order 37): 18.974,23.816 18.974,23.038 18.927,22.991 18.927,21.566 19.89,21.566 19.914,21.59 19.837,21.666 19.837,22.352 19.863,22.377 21.59,22.377 21.59,23.816
VDD on L1 (Sig) "VDD_L01_P039" (solid, pour order 39): 26.772,47.625 29.185,47.625 29.21,47.6 29.21,45.949 26.746,45.949 26.721,45.974 26.746,45.999 26.746,47.6
GND on L1 (Sig) "GND_L01_P045" (solid, pour order 45): 4.42,45.06 4.039,44.679 3.848,41.415 4.039,41.224 7.595,41.224 7.595,45.009 7.518,45.085 4.42,45.085
VDD on L1 (Sig) "VDD_L01_P046" (solid, pour order 46): 4.318,46.431 4.216,46.33 4.216,45.339 9.119,45.339 9.271,45.491 9.246,45.517 9.246,46.431 4.343,46.431
VR_IN on L1 (Sig) "VR_IN_L01_P044" (solid, pour order 44): 28.6,40.767 30.937,40.767 30.963,40.792 31.013,40.742 31.013,39.675 30.251,39.675 30.201,39.726 30.175,39.7 30.124,39.7 30.124,38.278 30.099,38.303 28.626,38.303 28.626,40.716 28.55,40.792
VDD_DISPLAY on L1 (Sig) "VDD_DISPLAY_L01_P020" (solid, pour order 20): 32.309,48.311 32.244,48.246 32.244,46.189 32.233,46.177 33.96,46.177 33.96,51.689 31.369,51.689 31.369,49.327 32.309,48.387 32.309,48.336
VDD_DISPLAY on L1 (Sig) "VDD_DISPLAY_L01_P019" (solid, pour order 19): 31.508,47.248 31.508,47.373 32.86,47.373 32.938,47.295 33.198,47.295 33.198,45.822 33.172,45.847 31.547,45.847 31.547,47.209
VDD_DISPLAY on L1 (Sig) "VDD_DISPLAY_L01_P018" (solid, pour order 18): 29.413,47.803 29.427,47.817 31.533,47.817 31.598,47.752 31.598,45.949 31.623,45.923 31.547,45.847 29.413,45.847 29.413,47.473
P3V3_VR on L1 (Sig) "P3V3_VR_L01_P016" (solid, pour order 16): 35.281,48.946 35.306,48.92 35.306,47.269 37.033,47.269 37.109,47.346 37.109,48.946
P3V3_VR on L1 (Sig) "P3V3_VR_L01_P015" (solid, pour order 15): 34.29,51.613 34.315,51.638 37.16,51.638 37.16,48.946 37.135,48.92 37.109,48.946 34.265,48.946 34.265,51.638
GND on L2 (GND) "GND_L02_P000" (solid, pour order 0): 0.129,0.154 39.334,0.154 39.334,51.802 39.141,51.994 0.127,51.994 0.127,0.152

## Silkscreen, mask and mechanical layers (free items; w line width, h text height)
Top Overlay:
  text "J4" at 5.309,50.851 h1.02
  text "J6" at 1.169,48.268 h1.02 r90
  text "VDD" at 7.087,38.405 h1.02
  text "CLK" at 7.01,36.601 h1.02
  text "+" at 23.927,36.432 h1.02
  text "DIO" at 7.043,34.716 h1.02
  text "GND" at 6.96,32.41 h1.02
  text "VR" at 35.611,27.508 h1.02 r90
  text "|" at 35.585,26.467 h1.02 r90
  text "USB" at 7.874,26.441 h1.02 r90
  text "|" at 7.722,25.756 h1.02 r90
  text "VR" at 7.747,23.292 h1.02 r90
  text "USB" at 35.585,22.911 h1.02 r90
  text "TX" at 33.909,19.38 h1.02
  text "RX" at 33.909,17.399 h1.02
  text "GND" at 32.918,14.783 h1.02
  text "GND" at 7.849,9.728 h1.02 r90
  text "CANL" at 13.208,9.601 h1.02 r90
  text "P12V" at 19.05,9.5 h1.02 r90
  text "CANH" at 16.104,9.347 h1.02 r90
Bottom Overlay:
  text "LCD_MOSI" at 10.524,48.362 h1.02 r90
  text "LCD_RST" at 6.206,48.336 h1.02 r90
  text "LCD_D/C" at 7.832,48.26 h1.02 r90
  text "LCD_MISO" at 12.803,48.236 h1.02 r90
  text "LCD_CS" at 17.959,48.211 h1.02 r90
  text "LCD_SCK" at 15.343,48.135 h1.02 r90
  text "PGM_LED_1" at 20.576,48.135 h1.02 r90
  text "OLED_SDA" at 23.116,48.109 h1.02 r90
  text "OLED_SCK" at 25.351,48.109 h1.02 r90
  text "LCB_BL" at 28.069,48.084 h1.02 r90
  text "GND" at 30.651,48.059 h1.02 r90
  text "VDD_DISP" at 32.945,48.033 h1.02 r90
  text "3.3V" at 9.576,39.37 h1.02
  text "CL_C" at 10.122,37.915 h1.02
  text "RT0" at 8.865,36.246 h1.02
  text "RT1" at 8.788,34.823 h1.02
  text "RT2" at 8.941,33.045 h1.02
  text "RT3" at 9.042,31.496 h1.02
  text "IS" at 9.093,29.972 h1.02
  text "DRS" at 8.941,28.346 h1.02
  text "PGM_LED_0" at 14.91,26.788 h1.02
  text "GD" at 8.992,25.121 h1.02
  text "GP" at 8.89,23.571 h1.02
  text "GND" at 8.992,21.869 h1.02
Bottom Solder:
  drawing of 8 lines, arcs and shapes, not listed
Board Shape:
  lines w0.508: 0,0 0,52.07 39.37,52.07 39.37,0 0,0

## Text inside footprints (layer, text, board x,y; h text height)
C25: Top 3D Body "RefDes2" at 33.033,42.266 h1.27 r180
C31: Top 3D Body "RefDes2" at 24.994,35.776 h1.27 r270
D6: Top 3D Body "RefDes2" at 26.391,12.128 h1.27 r90
J4: Bottom 3D Body "RefDes2" at 16.828,50.8 h1.27 r180
J6: Bottom 3D Body "RefDes2" at 1.27,33.972 h1.27 r270
L1: Top 3D Body "RefDes2" at 36.957,44.64 h1.27 r270; Top 3D Body "*" at 36.322,43.231 h1.27 r270
U2: Top 3D Body "*" at 34.138,40.488 h1.27 r90